# Altium PCB BMS.Pcb.PcbDoc (part 1 of 3) (continued)
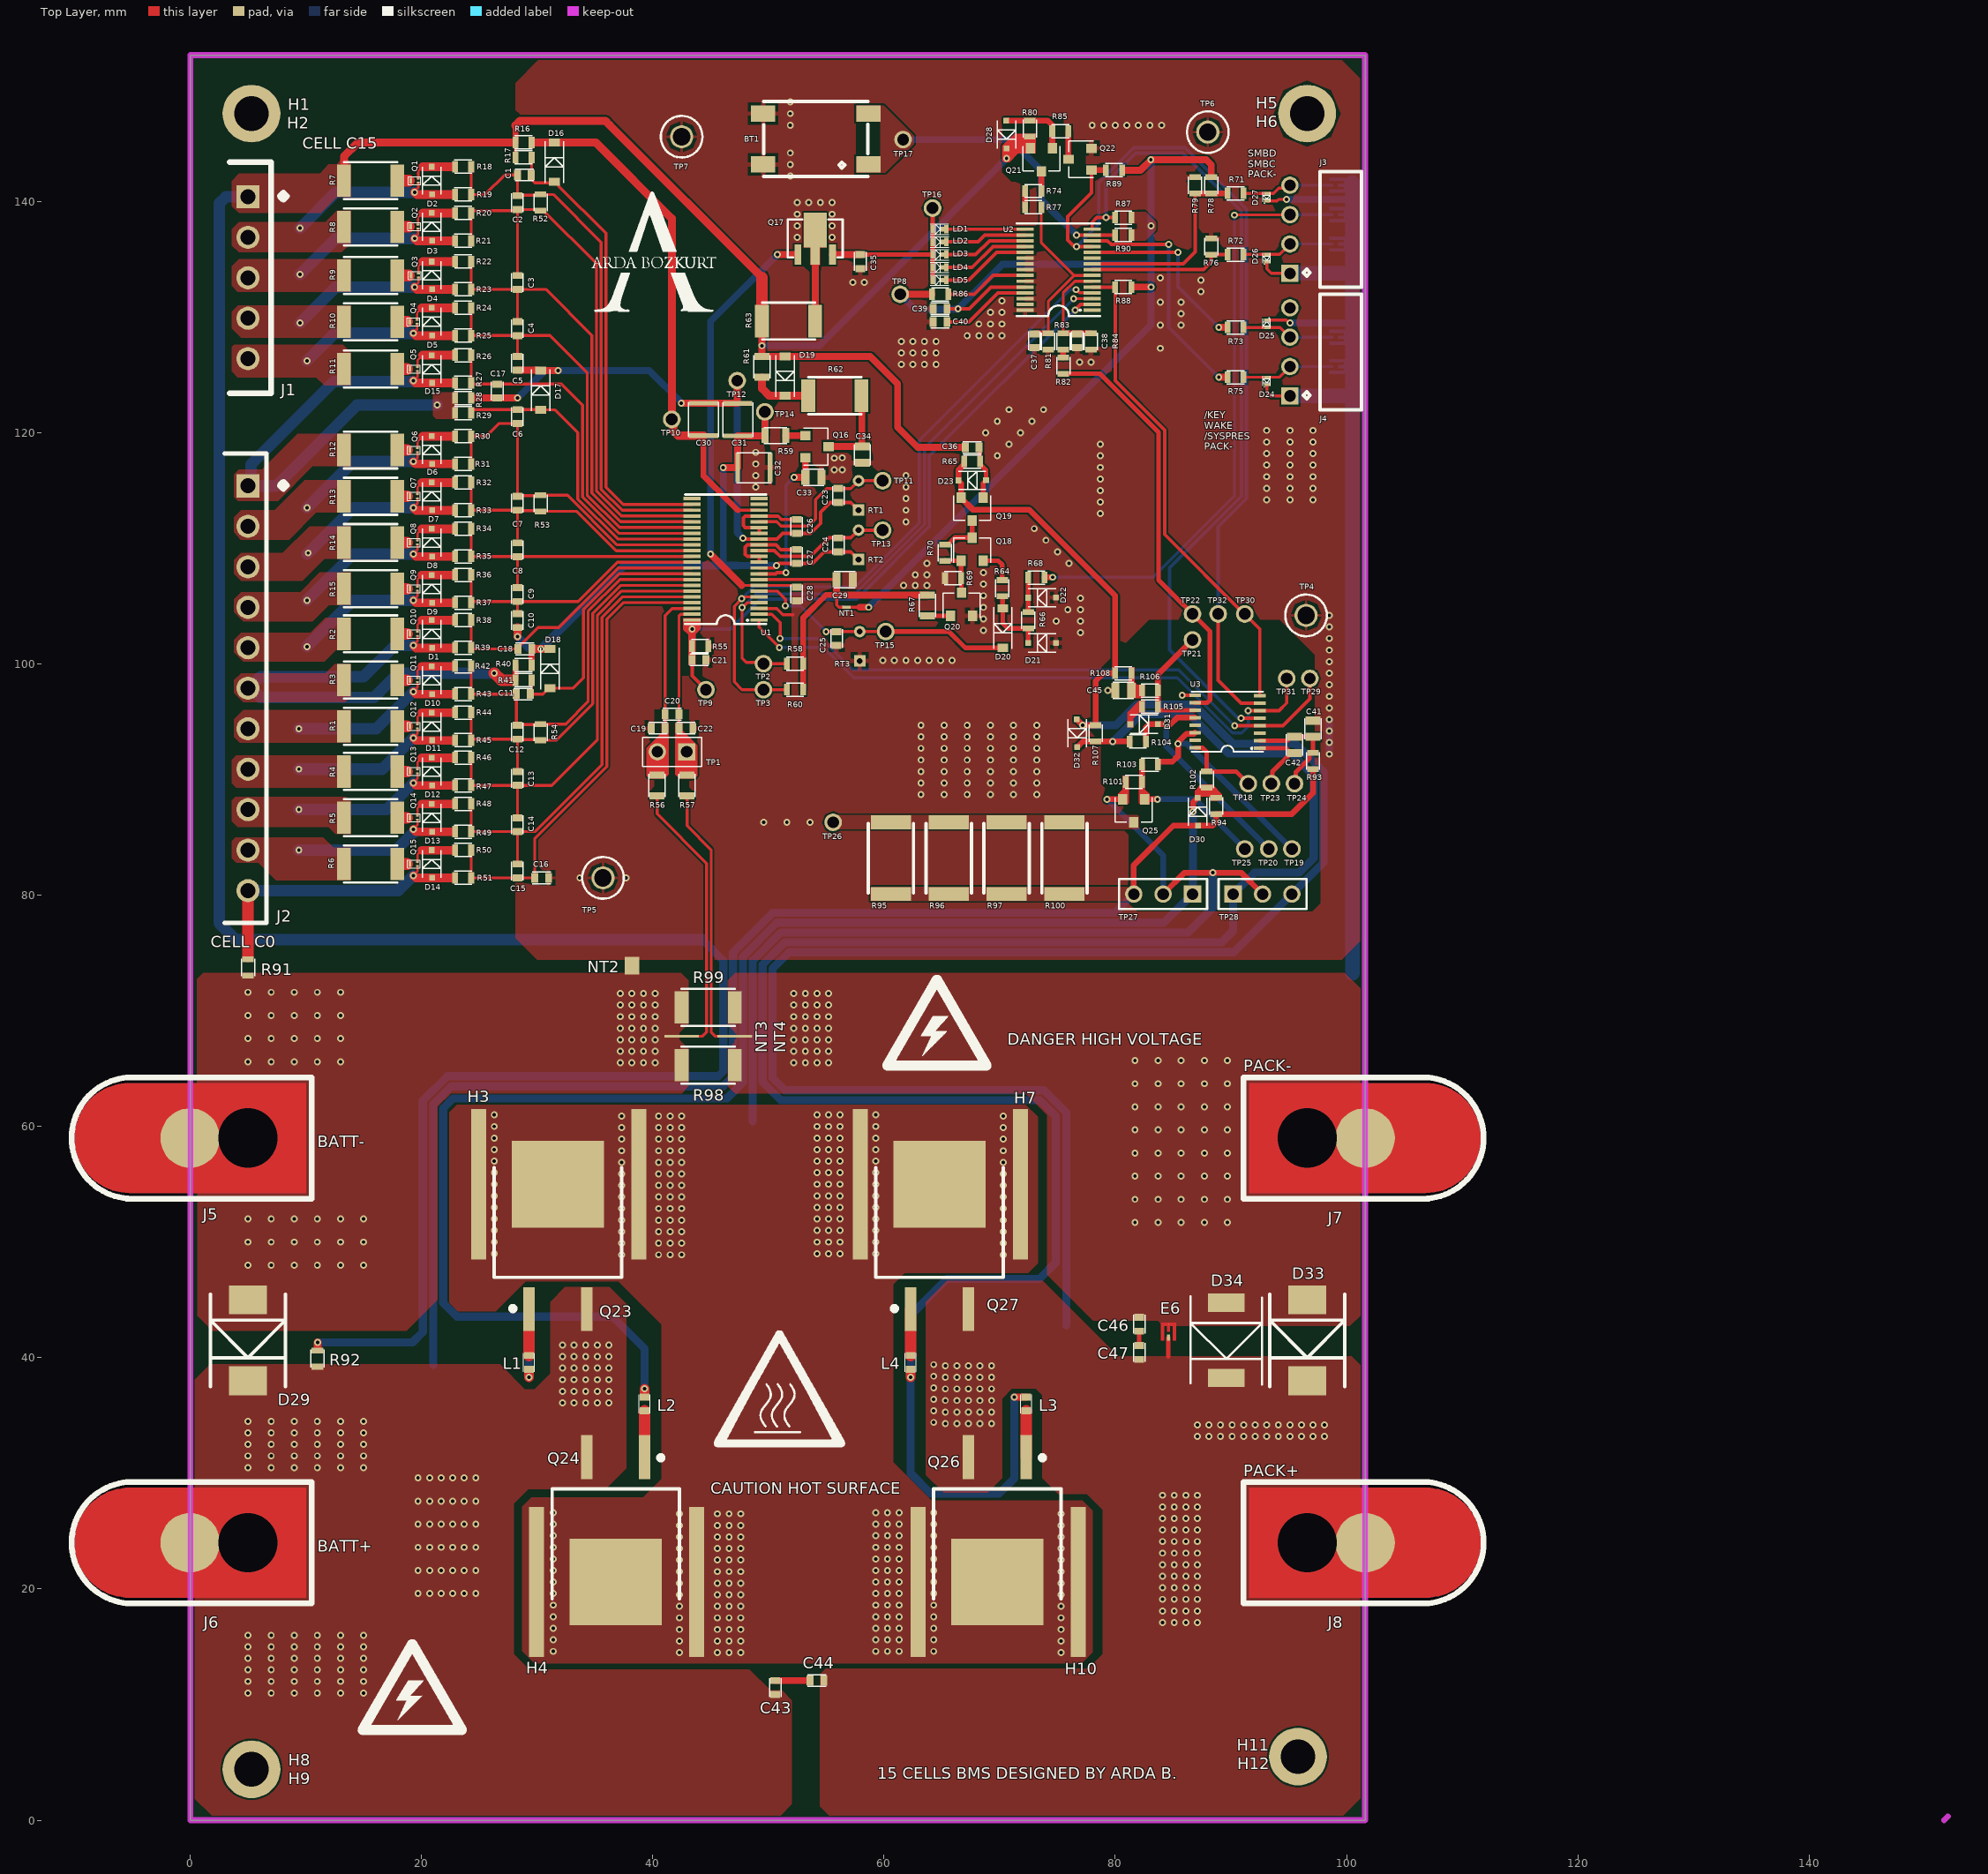
[diagram p0: Top Layer view]
## Components (designator, comment, footprint, x,y, rotation, side; value= is the part's Value field where it differs from the comment) (continued)
D27 "TPD1E10B06DPYT" ESD_X1SON 93.1,140.375 r90 top value=12pF
D28 "MMSZ5248BS-7-F" D_SOD323 70.6,145.8 r90 top value=18V
D29 "SMCJ60A" D_SMC 5,41.5 r90 top value=60V
D30 "MMSZ5246BS-7-F" D_SOD323 87.125,87.225 r270 top value=16V
D31 "MMSZ5248BS-7-F" D_SOD323 82.5,94.8 r180 top value=18V
D32 "MMSZ5246BS-7-F" D_SOD323 76.7,94 r90 top value=16V
D33 "SMCJ60A" D_SMC 96.6,41.5 r90 top value=60V
D34 "ES3D-E3/57T" D_DO214AB 89.6,41.5 r90 top value=200V
E1 "SPARKGAP" SPARK_GARP#1 98.776,125.72 r0 bottom
E2 "SPARKGAP" SPARK_GARP#1 98.776,128.26 r0 bottom
E3 "SPARKGAP" SPARK_GARP#1 98.776,136.32 r0 bottom
E4 "SPARKGAP" SPARK_GARP#1 98.776,138.86 r0 bottom
E5 "SPARKGAP" SPARK_GARP#1 98.776,141.4 r0 bottom
E6 "SPARKGAP" SPARK_GARP#2 84.6,41.744 r90 top
H1 "1902C" HEX_STANDOFF 5.3,147.6 r0 top
H2 "NY PMS 440 0025 PH" PEN 5.3,147.6 r0 top
H3 "573300D00010G" HEATSINK 31.8,55 r0 top
H4 "573300D00010G" HEATSINK 36.8,20.6 r0 top
H5 "1902C" HEX_STANDOFF 96.6,147.6 r0 top
H6 "NY PMS 440 0025 PH" PEN 96.6,147.6 r0 top
H7 "573300D00010G" HEATSINK 64.8,55 r0 top
H8 "1902C" HEX_STANDOFF 5.3,4.4 r0 top
H9 "NY PMS 440 0025 PH" PEN 5.3,4.4 r0 top
H10 "573300D00010G" HEATSINK 69.8,20.6 r0 top
H11 "1902C" HEX_STANDOFF 95.8,5.5 r0 top
H12 "NY PMS 440 0025 PH" PEN 95.8,5.5 r0 top
J1 "0395021005" TB_5 2,133.4 r270 top
J2 "0395021011" TB_11 1.5,97.9 r270 top
J3 "0022053041" CONN_4 95.1,137.59 r90 top
J4 "0022053041" CONN_4 95.1,126.99 r90 top
J5 "ML4-CY" CONN_LUG 5,59 r180 top
J6 "ML4-CY" CONN_LUG 5,24 r180 top
J7 "ML4-CY" CONN_LUG 96.6,59 r0 top
J8 "ML4-CY" CONN_LUG 96.6,24 r0 top
L1 "BLM18SG221TN1D" L_0603 29.3,39.6 r90 top value=220OHM
L2 "BLM18SG221TN1D" L_0603 39.3,36 r270 top value=220OHM
L3 "BLM18SG221TN1D" L_0603 72.3,36 r270 top value=220OHM
L4 "BLM18SG221TN1D" L_0603 62.3,39.6 r90 top value=220OHM
LD1 "LTST-C190GKT" LED_0603 64.8,137.6 r180 top
LD2 "LTST-C190GKT" LED_0603 64.8,136.5 r180 top
LD3 "LTST-C190GKT" LED_0603 64.8,135.4 r180 top
LD4 "LTST-C190GKT" LED_0603 64.8,134.3 r180 top
LD5 "LTST-C190GKT" LED_0603 64.8,133.2 r180 top
NT1 "Net Tie" NET_TİE_1 56.496,104.9 r0 top net-tie
NT2 "NET Tie" NET_TİE_2 38.2,73.9 r270 top net-tie
NT3 "NET Tie" NET_TİE_3 42.5,67.8 r0 top net-tie
NT4 "NET Tie" NET_TİE_3 47.1,67.8 r180 top net-tie
Q1 "CSD13381F4" Q_3PICOSTAR 19.4,141.8 r180 top
Q2 "CSD13381F4" Q_3PICOSTAR 19.375,137.825 r180 top
Q3 "CSD13381F4" Q_3PICOSTAR 19.425,133.6 r180 top
Q4 "CSD13381F4" Q_3PICOSTAR 19.3,129.595 r180 top
Q5 "CSD13381F4" Q_3PICOSTAR 19.325,125.505 r180 top
Q6 "CSD13381F4" Q_3PICOSTAR 19.325,118.5 r180 top
Q7 "CSD13381F4" Q_3PICOSTAR 19.325,114.5 r180 top
Q8 "CSD13381F4" Q_3PICOSTAR 19.325,110.5 r180 top
Q9 "CSD13381F4" Q_3PICOSTAR 19.325,106.5 r180 top
Q10 "CSD13381F4" Q_3PICOSTAR 19.325,102.6 r180 top
Q11 "CSD13381F4" Q_3PICOSTAR 19.325,98.6 r180 top
Q12 "CSD13381F4" Q_3PICOSTAR 19.325,94.6 r180 top
Q13 "CSD13381F4" Q_3PICOSTAR 19.325,90.7 r180 top
Q14 "CSD13381F4" Q_3PICOSTAR 19.325,86.7 r180 top
Q15 "CSD13381F4" Q_3PICOSTAR 19.325,82.7 r180 top
Q16 "BST82,215" Q_SOT23-3 54.2,118.8 r270 top
Q17 "ZXTN19100CZTA" Q_SOT-89-3 54.05,136.9 r0 top
Q18 "BSS123" Q_SOT23-3 67.625,109.925 r0 top
Q19 "ZXMP10A13FTA" Q_SOT23-3 67.625,113.395 r180 top
Q20 "BSS123" Q_SOT23-3 66.7,105.168 r0 top
Q21 "ZXMP10A13FTA" Q_SOT23-3 73.6,143.6 r180 top
Q22 "BSS123" Q_SOT23-3 76.95,143.65 r90 top
Q23 "CSD19536KTT" Q_DDPAK 31.8,49.6 r0 top
Q24 "CSD19536KTT" Q_DDPAK 36.8,26 r180 top
Q25 "ZXMP10A13FTA" Q_SOT23-3 81.6,87.3 r180 top
Q26 "CSD19536KTT" Q_DDPAK 69.8,26 r180 top
Q27 "CSD19536KTT" Q_DDPAK 64.8,49.6 r0 top
R1 "CRCW201028R7FKEF" R_2010 15.6,94.6 r0 top value=28.7R
R2 "CRCW201028R7FKEF" R_2010 15.6,102.6 r0 top value=28.7R
R3 "CRCW201028R7FKEF" R_2010 15.6,98.6 r0 top value=28.7R
R4 "CRCW201028R7FKEF" R_2010 15.6,90.7 r0 top value=28.7R
R5 "CRCW201028R7FKEF" R_2010 15.6,86.7 r0 top value=28.7R
R6 "CRCW201028R7FKEF" R_2010 15.6,82.7 r0 top value=28.7R
R7 "CRCW201028R7FKEF" R_2010 15.6,141.8 r0 top value=28.7R
R8 "CRCW201028R7FKEF" R_2010 15.6,137.8 r0 top value=28.7R
R9 "CRCW201028R7FKEF" R_2010 15.6,133.6 r0 top value=28.7R
R10 "CRCW201028R7FKEF" R_2010 15.6,129.595 r0 top value=28.7R
R11 "CRCW201028R7FKEF" R_2010 15.6,125.505 r0 top value=28.7R
R12 "CRCW201028R7FKEF" R_2010 15.6,118.5 r0 top value=28.7R
R13 "CRCW201028R7FKEF" R_2010 15.6,114.5 r0 top value=28.7R
R14 "CRCW201028R7FKEF" R_2010 15.6,110.5 r0 top value=28.7R
R15 "CRCW201028R7FKEF" R_2010 15.6,106.5 r0 top value=28.7R
R16 "CRCW06031K00JNEA" R_0603 28.825,145.1 r0 top value=1K
R17 "CRCW06031K00JNEA" R_0603 28.825,143.8 r0 top value=1K
R18 "CRCW060310K0JNEA" R_0603 23.6,143 r0 top value=10K
R19 "CRCW06031K00JNEA" R_0603 23.6,140.6 r0 top value=1K
R20 "CRCW060310K0JNEA" R_0603 23.6,139 r0 top value=10K
R21 "CRCW06031K00JNEA" R_0603 23.6,136.6 r0 top value=1K
R22 "CRCW060310K0JNEA" R_0603 23.6,134.8 r0 top value=10K
R23 "CRCW06031K00JNEA" R_0603 23.6,132.4 r0 top value=1K
R24 "CRCW060310K0JNEA" R_0603 23.6,130.795 r0 top value=10K
R25 "CRCW06031K00JNEA" R_0603 23.6,128.395 r0 top value=1K
R26 "CRCW060310K0JNEA" R_0603 23.6,126.705 r0 top value=10K
R27 "CRCW06031K00JNEA" R_0603 23.6,124.305 r0 top value=1K
R28 "CRCW06031K00JNEA" R_0603 23.6,123 r0 top value=1K
R29 "CRCW06031K00JNEA" R_0603 23.6,121.7 r0 top value=1K
R30 "CRCW060310K0JNEA" R_0603 23.6,119.7 r0 top value=10K
R31 "CRCW06031K00JNEA" R_0603 23.6,117.3 r0 top value=1K
R32 "CRCW060310K0JNEA" R_0603 23.6,115.7 r0 top value=10K
R33 "CRCW06031K00JNEA" R_0603 23.6,113.3 r0 top value=1K
R34 "CRCW060310K0JNEA" R_0603 23.6,111.7 r0 top value=10K
R35 "CRCW06031K00JNEA" R_0603 23.6,109.3 r0 top value=1K
R36 "CRCW060310K0JNEA" R_0603 23.6,107.7 r0 top value=10K
R37 "CRCW06031K00JNEA" R_0603 23.6,105.3 r0 top value=1K
R38 "CRCW060310K0JNEA" R_0603 23.6,103.8 r0 top value=10K
R39 "CRCW06031K00JNEA" R_0603 23.6,101.4 r0 top value=1K
R40 "CRCW06031K00JNEA" R_0603 28.825,99.9 r0 top value=1K
R41 "CRCW06031K00JNEA" R_0603 28.825,98.6 r0 top value=1K
R42 "CRCW060310K0JNEA" R_0603 23.6,99.8 r0 top value=10K
R43 "CRCW06031K00JNEA" R_0603 23.6,97.4 r0 top value=1K
R44 "CRCW060310K0JNEA" R_0603 23.6,95.8 r0 top value=10K
R45 "CRCW06031K00JNEA" R_0603 23.6,93.4 r0 top value=1K
R46 "CRCW060310K0JNEA" R_0603 23.6,91.9 r0 top value=10K
R47 "CRCW06031K00JNEA" R_0603 23.6,89.5 r0 top value=1K
R48 "CRCW060310K0JNEA" R_0603 23.6,87.9 r0 top value=10K
R49 "CRCW06031K00JNEA" R_0603 23.6,85.5 r0 top value=1K
R50 "CRCW060310K0JNEA" R_0603 23.6,83.9 r0 top value=10K
R51 "CRCW06031K00JNEA" R_0603 23.6,81.5 r0 top value=1K
R52 "CRCW06030000Z0EA" R_0603 30.3,139.9 r90 top value=0R
R53 "CRCW06030000Z0EA" R_0603 30.3,113.9 r90 top value=0R
R54 "CRCW06030000Z0EA" R_0603 30.3,94.1 r90 top value=0R
R55 "CRCW0603499KFKEA" R_0603 44.1,101.55 r180 top value=499K
R56 "CRCW0805100RFKEA" R_0805 40.37,89.5 r90 top value=100R
R57 "CRCW0805100RFKEA" R_0805 42.97,89.5 r90 top value=100R
R58 "CRCW060310K0JNEA" R_0603 52.3,100.025 r0 top value=10K
R59 "CRCW0805100KFKEA" R_0805 50.6,119.75 r0 top value=100K
R60 "CRCW060310K0JNEA" R_0603 52.3,97.775 r0 top value=10K
R61 "CRCW0805100KFKEA" R_0805 49.45,125.7 r90 top value=100K
R62 "CRCW20101K00JNEF" R_2010 55.75,123.2 r180 top value=1K
R63 "CRCW2010750RJNEF" R_2010 51.75,129.65 r180 top value=750R
R64 "CRCW060351K0JNEA" R_0603 70.225,106.55 r90 top value=51K
R65 "CRCW060310M0FKEA" R_0603 67.625,117.5 r180 top value=10M
R66 "CRCW06031K00JNEA" R_0603 72.475,103.775 r90 top value=1K
R67 "CRCW0805100KFKEA" R_0805 63.738,105.068 r270 top value=100K
R68 "CRCW06031K00JNEA" R_0603 73.175,107.475 r0 top value=1K
R69 "CRCW060310M0FKEA" R_0603 65.975,107.425 r0 top value=10M
R70 "CRCW06031M00JNEA" R_0603 65.275,109.625 r90 top value=1M
R71 "CRCW06031K00JNEA" R_0603 90.4,140.7 r180 top value=1K
R72 "CRCW06031K00JNEA" R_0603 90.4,135.4 r180 top value=1K
R73 "CRCW0603100RJNEA" R_0603 90.4,129.1 r180 top value=100R
R74 "RG1608P-304-B-T5" R_0603 72.9,140.9 r0 top value=300K
R75 "CRCW0603100RJNEA" R_0603 90.4,124.8 r180 top value=100R
R76 "CRCW06030000Z0EA" R_0603 88.3,136.1 r270 top value=0R
R77 "RG1608P-304-B-T5" R_0603 72.9,139.5 r0 top value=300K
R78 "CRCW06031M00JNEA" R_0603 88.306,141.4 r90 top value=1M
R79 "CRCW06030000Z0EA" R_0603 86.9,141.4 r270 top value=0R
R80 "CRCW0603100KJNEA" R_0603 72.6,146.3 r270 top value=100K
R81 "RG1608P-103-B-T5" R_0603 74.2,127.9 r90 top value=10K
R82 "RG1608P-304-B-T5" R_0603 75.5,125.8 r270 top value=300K
R83 "RG1608P-304-B-T5" R_0603 75.5,127.9 r270 top value=300K
R84 "RG1608P-103-B-T5" R_0603 77.9,127.9 r90 top value=10K
R85 "CRCW0603220KJNEA" R_0603 75.25,146.075 r0 top value=220K
R86 "CRCW0603100KJNEA" R_0603 64.85,131.975 r180 top value=100K
R87 "CRCW0603510KJNEA" R_0603 80.7,138.6 r0 top value=510K
R88 "CRCW0603510KJNEA" R_0603 80.7,132.6 r0 top value=510K
R89 "CRCW0603510KJNEA" R_0603 79.9,142.7 r0 top value=510K
R90 "CRCW0603510KJNEA" R_0603 80.7,137.1 r0 top value=510K
R91 "CRCW06030000Z0EA" R_0603 5,73.75 r90 top value=0R
R92 "CRCW06030000Z0EA" R_0603 11,39.925 r90 top value=0R
R93 "CRCW0603100RFKEA" R_0603 97.1,91.6 r90 top value=100R
R94 "CRCW060310M0FKEA" R_0603 88.725,87.725 r90 top value=10M
R95 "CRCW25121K20JNEG" R_2512 60.6,83.2 r270 top value=1.2K
R96 "CRCW25121K20JNEG" R_2512 65.6,83.2 r270 top value=1.2K
R97 "CRCW25121K20JNEG" R_2512 70.6,83.2 r270 top value=1.2K
R98 "CSNL2010FT1L00" R_2010 44.8,65.3 r0 top value=0.001R
R99 "CSNL2010FT1L00" R_2010 44.8,70.3 r0 top value=0.001R
R100 "CRCW25121K20JNEG" R_2512 75.6,83.2 r270 top value=1.2K
R101 "CRCW060310M0FKEA" R_0603 81.6,89.8 r180 top value=10M
R102 "CRCW0603620RJNEA" R_0603 87.9,90 r270 top value=620R
R103 "CRCW0603620RJNEA" R_0603 83,91.3 r180 top value=620R
R104 "CRCW0603620RJNEA" R_0603 81.95,93.3 r180 top value=620R
R105 "CRCW0603100RJNEA" R_0603 83,96.3 r0 top value=100R
R106 "CRCW06030000Z0EA" R_0603 83,97.7 r180 top value=0R
R107 "CRCW060310M0FKEA" R_0603 78.3,94 r90 top value=10M
R108 "CRCW0603100RFKEA" R_0603 80.7,99.2 r180 top value=100R
RT1 "103AT-2" NTC 57.8,114.575 r90 top value=10K
RT2 "103AT-2" NTC 57.8,110.3 r90 top value=10K
RT3 "103AT-2" NTC 57.9,101.53 r90 top value=10K
TP1 "PEC02SAAN" TP_2POS 41.67,92.4 r180 top
TP2 "5011" TP_VİA 49.575,100.025 r180 top
TP3 "5011" TP_VİA 49.575,97.775 r180 top
TP4 "TEST POİNT" TP_GND 96.5,104.2 r0 top
TP5 "TEST POİNT" TP_GND 35.7,81.5 r0 top
TP6 "TEST POİNT" TP_GND 88,146 r0 top
TP7 "TEST POİNT" TP_GND 42.5,145.6 r0 top
TP8 "5011" TP_VİA 61.4,131.975 r90 top
TP9 "5011" TP_VİA 44.6,97.775 r90 top
TP10 "5011" TP_VİA 41.65,121.15 r90 top
TP11 "5011" TP_VİA 59.883,115.845 r90 top
TP12 "5011" TP_VİA 47.3,124.5 r90 top
TP13 "5011" TP_VİA 59.883,111.57 r90 top
TP14 "5011" TP_VİA 49.7,121.8 r90 top
TP15 "5011" TP_VİA 60.15,102.8 r90 top
TP16 "5011" TP_VİA 64.2,139.425 r90 top
TP17 "5011" TP_VİA 61.65,145.35 r90 top
TP18 "5011" TP_VİA 91.5,89.65 r90 top
TP19 "5011" TP_VİA 95.275,84 r90 top
TP20 "5011" TP_VİA 93.275,84 r90 top
TP21 "5011" TP_VİA 86.675,102.075 r90 top
TP22 "5011" TP_VİA 86.675,104.325 r90 top
TP23 "5011" TP_VİA 93.5,89.65 r90 top
TP24 "5011" TP_VİA 95.5,89.65 r90 top
TP25 "5011" TP_VİA 91.2,84 r90 top
TP26 "5011" TP_VİA 55.6,86.3 r90 top
TP27 "PEC03SAAN" TP_3POS 84.14,80.1 r180 top
TP28 "PEC03SAAN" TP_3POS 92.735,80.1 r0 top
TP29 "5011" TP_VİA 96.825,98.75 r90 top
TP30 "5011" TP_VİA 91.2,104.325 r90 top
TP31 "5011" TP_VİA 94.825,98.75 r90 top
TP32 "5011" TP_VİA 88.9,104.325 r90 top
U1 "BQ7694000DBTR" 44TSSOP 46.3,109.05 r180 top
U2 "BQ78350DBTR-R1" 30TSSOP 75.1,134.1 r180 top
U3 "BQ76200PWR" 16TSSOP 89.7,95 r180 top

## Footprints (in the part's own frame and the unit in brackets; to place one, negate y for a bottom-side part, rotate by r counter-clockwise, add the part's x,y. Pads: shape width x height; smd on the part's side, far side on the other; paste and mask are expansions set on the pad)
16TSSOP [mm]
  rect 1x0.3 smd mask+0.005: 1(-2.8,2.3) 2(-2.8,1.65) 3(-2.8,1) 4(-2.8,0.35) 5(-2.8,-0.3) 6(-2.8,-0.95) 7(-2.8,-1.6) 8(-2.8,-2.25) 9(2.8,-2.3) 10(2.8,-1.65) 11(2.8,-1) 12(2.8,-0.35) 13(2.8,0.3) 14(2.8,0.95) 15(2.8,1.6) 16(2.8,2.25)
  silkscreen extent -3.1,-2.6 3.1,2.6, body extent -3.18,-2.5 3.22,2.5, height 1.13
30TSSOP [mm]
  rect 1.5x0.3 smd mask+0.005: 1(-2.9,3.5) 1(-2.9,3.5) 2(-2.9,3) 3(-2.9,2.5) 4(-2.9,2) 5(-2.9,1.5) 6(-2.9,1) 7(-2.9,0.5) 8(-2.9,0) 9(-2.9,-0.5) 10(-2.9,-1) 11(-2.9,-1.5) 12(-2.9,-2) 13(-2.9,-2.5) 14(-2.9,-3) 15(-2.9,-3.5) 16(2.9,-3.5) 16(2.9,-3.5) 17(2.9,-3) 18(2.9,-2.5) 19(2.9,-2) 20(2.9,-1.5) 21(2.9,-1) 22(2.9,-0.5) 23(2.9,0) 24(2.9,0.5) 25(2.9,1) 26(2.9,1.5) 27(2.9,2) 28(2.9,2.5) 29(2.9,3) 30(2.9,3.5)
  silkscreen extent -3.6,-4 3.6,4, body extent -3.2,-3.9 3.2,3.9, height 1.2
44TSSOP [mm]
  rect 1.5x0.3 smd mask+0.005: 1(-2.9,5.25) 2(-2.9,4.75) 3(-2.9,4.25) 4(-2.9,3.75) 5(-2.9,3.25) 6(-2.9,2.75) 7(-2.9,2.25) 8(-2.9,1.75) 9(-2.9,1.25) 10(-2.9,0.75) 11(-2.9,0.25) 12(-2.9,-0.25) 13(-2.9,-0.75) 14(-2.9,-1.25) 15(-2.9,-1.75) 16(-2.9,-2.25) 17(-2.9,-2.75) 18(-2.9,-3.25) 19(-2.9,-3.75) 20(-2.9,-4.25) 21(-2.9,-4.75) 22(-2.9,-5.25) 23(2.9,-5.25) 23(2.9,-5.25) 24(2.9,-4.75) 25(2.9,-4.25) 26(2.9,-3.75) 27(2.9,-3.25) 28(2.9,-2.75) 29(2.9,-2.25) 30(2.9,-1.75) 31(2.9,-1.25) 32(2.9,-0.75) 33(2.9,-0.25) 34(2.9,0.25) 35(2.9,0.75) 36(2.9,1.25) 37(2.9,1.75) 38(2.9,2.25) 39(2.9,2.75) 40(2.9,3.25) 41(2.9,3.75) 42(2.9,4.25) 43(2.9,4.75) 44(2.9,5.25)
  silkscreen extent -3.5,-5.6 3.5,5.6, body extent -3.2,-5.5 3.2,5.5, height 1.13
BUTTOM [mm]
  rect 2.1x1.4 smd mask+0.005: 1(-4.55,2.2) 2(4.55,2.2) 3(-4.55,-2.2) 4(4.55,-2.2)
  silkscreen extent -4.5,-3.25 4.5,3.25, body extent -5,-3 5,3, height 4.41
C_0603 [mm]
  rect 0.6x0.85 smd mask+0.005: 1(-0.6,0) 2(0.6,0)
  silkscreen extent -0.8,-0.5 0.8,0.5, body extent -0.8,-0.4 0.8,0.4, height 0.8
C_0805 [mm]
  rect 0.7x1.3 smd mask+0.005: 1(-0.7,0) 2(0.7,0)
  silkscreen extent -0.9,-0.7 0.9,0.7, body extent -1,-0.63 1,0.63, height 0.94
C_1210 [mm]
  rect 0.4x2.5 smd mask+0.005: 1(-1.4,0) 2(1.4,0)
  silkscreen extent -1.5,-1.3 1.5,1.3, body extent -1.6,-1.25 1.6,1.25, height 2.2
CONN_4 [mm]
  rect 1.5x1.5 hole 1 mask+0.005: 1(-3.81,0)
  round 1.5 hole 1 mask+0.005: 2(-1.27,0) 3(1.27,0) 4(3.81,0)
  silkscreen extent -5,-6.2 5,-1.15, body extent -5,-12.63 5,0.3, height 7.17
CONN_LUG [mm]
  round 5.15 hole 5.125 copper offset 5,0 mask+0.005: 1(0,0)
  Top Layer region: 10.25,-4.75 -5,-4.75 -5,4.75 10.25,4.75 12.068,4.388 13.609,3.359 14.638,1.818 15,0 15,0 14.638,-1.818 13.609,-3.359 12.068,-4.388 10.25,-4.75
  Bottom Layer region: 10.25,-4.75 -5,-4.75 -5,4.75 10.25,4.75 12.068,4.388 13.609,3.359 14.638,1.818 15,0 15,0 14.638,-1.818 13.609,-3.359 12.068,-4.388 10.25,-4.75
  silkscreen extent -5.5,-5.25 15.25,5.25, body extent -5,-4.75 15.05,4.75, height 13.05
D_DO214AB [mm]
  rect 1.6x3.2 smd mask+0.005: 1(-3.25,0) 2(3.25,0)
  silkscreen extent -3.8,-3.1 3.8,3.1, body extent -3.98,-2.95 3.98,2.95, height 2.65
D_SMC [mm]
  rect 2.5x3.3 smd mask+0.005: 1(-3.5,0) 2(3.5,0)
  silkscreen extent -4,-3.25 4,3.25, body extent -3.97,-2.95 3.97,2.95, height 2.62
D_SOD123 [mm]
  rect 0.7x0.95 smd mask+0.005: 1(-1.7,0) 2(1.7,0)
  silkscreen extent -1.8,-0.8 1.8,0.8, body extent -1.92,-0.67 1.92,0.67, height 0.81
D_SOD323 [mm]
  rect 0.5x0.5 smd mask+0.005: 1(-1.2,0) 2(1.2,0.025)
  silkscreen extent -1.2,-0.8 1.2,0.8, body extent -1.35,-0.7 1.35,0.7, height 1.2
ESD_X1SON [mm]
  rect 0.25x0.5 smd mask+0.005: 1(-0.325,0) 2(0.325,0)
  silkscreen extent -0.53,-0.33 0.43,0.33, body extent -0.5,-0.3 0.5,0.3, height 0.45
HEATSINK [mm]
  rect 1.3x13 smd mask+0.005: 0(-6.85,0) 0(7,0)
  body extent -13.03,-6.35 13.13,6.35, height 10.15
HEX_STANDOFF [mm]
  round 5 hole 3 mask+0.005: 0(0,0)
  body extent -3.67,-3.17 3.67,3.17
L_0603 [mm]
  rect 0.6x0.85 smd mask+0.005: 1(-0.6,0) 2(0.6,0)
  silkscreen extent -0.8,-0.48 0.8,0.48, body extent -0.8,-0.4 0.8,0.4, height 0.8
LED_0603 [mm]
  rect 0.4x0.7 smd mask+0.005: 1(-0.6,0) 2(0.6,0)
  rect 0.3x0.4 smd mask+0.005: 1(-0.25,0)
  silkscreen extent -0.8,-0.45 0.8,0.45, body extent -0.8,-0.4 0.8,0.4, height 0.8
NET_TİE_1 [mil]
  rect 9x10 smd mask+0.2: 1(0,0) 2(20,0)
  rect 30x10 smd mask+0.2: ""(10,0)
NET_TİE_2 [mm]
  rect 0.75x1.27 smd mask+0.005: 1(-0.375,0) 2(0.375,0)
NET_TİE_3 [mm]
  rect 1.5x0.25 smd mask+0.005: 1(-0.75,0) 2(0.75,0)
NTC [mm]
  rect 1x1 hole 0.5 mask+0.005: 1(-1.27,0)
  round 1 hole 0.5 mask+0.005: 2(1.27,0)
  body extent -2,-1 2,1, height 7.5
PEN [mm]
  body extent -2.78,-2.77 2.78,2.77, height 4.11
Q_3PICOSTAR [mm]
  rect 0.25x0.15 smd mask+0.005: 1(-0.325,-0.175) 2(-0.325,0.175)
  rect 0.25x0.5 smd mask+0.005: 3(0.325,0)
  silkscreen extent -0.55,-0.35 0.55,0.35, body extent -0.5,-0.3 0.5,0.3, height 0.35
Q_DDPAK [mm]
  rect 1x3.8 smd mask+0.005: 1(-2.5,-5.4) 3(2.5,-5.4)
  rect 8x7.5 smd mask+0.005: 2(0,5.4)
  silkscreen extent -5.5,-5.5 5.5,6.85, body extent -5.08,-6.53 5.08,8.55, height 4.67
Q_SOT23-3 [mm]
  rect 0.8x0.9 smd mask+0.005: 1(-0.95,-1) 2(0.95,-1) 3(0,1)
  silkscreen extent -1.6,-1.16 1.6,0.96, body extent -1.45,-1.2 1.45,1.2, height 1.14
Q_SOT-89-3 [mm]
  rect 0.6x1.75 smd mask+0.005: 1(-1.5,-1.5) 3(1.5,-1.5)
  rect 0.8x1.5 smd mask+0.005: 2(0,-1.625)
  rect 2x3 smd mask+0.005: 4(0,0.625)
  silkscreen extent -2.37,-1.73 2.37,1.55, body extent -2.25,-2.25 2.25,1.75, height 1.6
R_0603 [mm]
  rect 0.5x1 smd mask+0.005: 1(-0.7,0) 2(0.7,0)
  silkscreen extent -0.75,-0.57 0.75,0.58, body extent -0.77,-0.43 0.77,0.43, height 0.55
R_0805 [mm]
  rect 0.6x1.3 smd mask+0.005: 1(-0.9,0) 2(0.9,0)
  silkscreen extent -1,-0.7 1,0.7, body extent -1,-0.63 1,0.63, height 0.5
R_2010 [mm]
  rect 1.2x2.8 smd mask+0.005: 1(-2.3,0) 2(2.3,0)
  silkscreen extent -2.3,-1.6 2.3,1.6, body extent -2.5,-1.25 2.5,1.25, height 0.7
R_2512 [mm]
  rect 1.2x3.5 smd mask+0.005: 1(-3.1,0) 2(3.1,0)
  silkscreen extent -3,-1.95 3,1.95, body extent -3.15,-1.58 3.15,1.58, height 0.7
SPARK_GARP#1 [mil]
  rect 20x10 smd mask+0.2: 1(0,0)
  round 1 smd mask+0.2: 2(45,0)
  rect 70x50 on Bottom Solder mask+0.2: ""(15,0)
  Top Layer region: -10,25 -10,15 40,15 40,5 20,5 20,-5 40,-5 40,-15 -10,-15 -10,-25 50,-25 50,25
SPARK_GARP#2 [mil]
  rect 20x10 smd mask+0.2: 1(0,0)
  round 1 smd mask+0.2: 2(45,0)
  rect 70x50 on Top Solder mask+0.2: ""(15,0)
  Top Layer region: -10,25 -10,15 40,15 40,5 20,5 20,-5 40,-5 40,-15 -10,-15 -10,-25 50,-25 50,25
TB_5 [mm]
  rect 2x2 hole 1.3 mask+0.005: 1(-7,3)
  round 2 hole 1.3 mask+0.005: 2(-3.5,3) 3(0,3) 4(3.5,3) 5(7,3)
  silkscreen extent -10,1.4 10,6.35, body extent -9.45,-4.87 9.45,4.27, height 7.86
TB_11 [mm]
  rect 2x2 hole 1.3 mask+0.005: 1(-17.5,3.5)
  round 2 hole 1.3 mask+0.005: 2(-14,3.5) 3(-10.5,3.5) 4(-7,3.5) 5(-3.5,3.5) 6(0,3.5) 7(3.5,3.5) 8(7,3.5) 9(10.5,3.5) 10(14,3.5) 11(17.5,3.5)
  silkscreen extent -20.3,1.5 20.3,6.85, body extent -19.95,-4.37 19.95,4.77, height 7.86
TP_2POS [mm]
  rect 1.5x1.5 hole 1 mask+0.005: 1(-1.27,0)
  round 1.5 hole 1 mask+0.005: 2(1.27,0)
  silkscreen extent -2.55,-1.25 2.55,1.25, body extent -2.54,-1.24 2.54,1.24, height 5.51
TP_3POS [mm]
  rect 1.5x1.5 hole 1 mask+0.005: 1(-2.54,0)
  round 1.5 hole 1 mask+0.005: 2(0,0) 3(2.54,0)
  silkscreen extent -3.8,-1.3 3.8,1.3, body extent -3.81,-1.24 3.81,1.24, height 8.38
TP_GND [mm]
  round 2 hole 1.5 mask+0.005: 1(0,0)
  silkscreen extent -1.8,-1.8 1.8,1.8, body extent -1.58,-1.59 1.58,1.59, height 8.12
TP_VİA [mil]
  round 60 hole 40 mask+0.2: 1(0,0)

## Part data
BT1: library part BT_SWITCH_TACTILE_0.05A_24V, "Pushbutton Switch, SPST, Momentary, 0.05A, 24VDC, Solder Terminal, Panel Mount", Case/Package=SMD/SMT, Color=Black, Contact Current Rating=50mA, Manufacturer="TE Connectivity", Manufacturer Part Number=FSM4JSMA, Max Operating Temperature=85°C, Min Operating Temperature=-35°C, Operating Force=1.57N, Package Quantity=750, Supplier Part Number=3801305, Voltage Rating=24V, Insulation Resistance=100MR, Actuator Length=1.4mm, Actuator Material=Polyphenylene, Actuator Type=Standard, Category="Pushbutton Switches", ComponentLink1Description=https://datasheet.ciiva.com/16312/1977223-8-16312304.pdf?src-supplier=Future+Electronics, ComponentLink1URL=https://datasheet.ciiva.com/16312/1977223-8-16312304.pdf?src-supplier=Future+Electronics, ComponentLink2Description=https://datasheet.ciiva.com/30161/19772236780a-30161988.pdf?src-supplier=Onlinecomponents.com, ComponentLink2URL=https://datasheet.ciiva.com/30161/19772236780a-30161988.pdf?src-supplier=Onlinecomponents.com, ComponentLink3Description=https://datasheet.ciiva.com/41839/eng-cd-1977223-a4-41839198.pdf?src-supplier=Digikey, ComponentLink3URL=https://datasheet.ciiva.com/41839/eng-cd-1977223-a4-41839198.pdf?src-supplier=Digikey, ComponentLink4Description=https://datasheet.ciiva.com/41834/eng-cd-1977223-a4-41834279.pdf?src-supplier=Digikey, ComponentLink4URL=https://datasheet.ciiva.com/41834/eng-cd-1977223-a4-41834279.pdf?src-supplier=Digikey, Contact Material="Copper Alloy,Silver", Contact Plating=Silver, Current Rating=50mA, Depth=10mm, ELV=Compliant, Lead Free="Lead Free", Length=6mm, Max Current Rating=50mA, Mechanical Life=100000Cycles, Mounting Technology="Surface Mount", Number of Positions=2NUMBER, Orientation=Straight, Packaging=Bulk, Pricing="10=0,175, 50=0,173, 100=0,171, 500=0,168 (EUR)", Reach SVHC Compliant=Unknown, RoHS=Yes, RoHS Compliant=Yes, Series=FSMJSMA, Stock=16293, Supplier=Farnell, Switch Function=Off-Mom, Switch Travel=0.25mm, Termination="Gull Wing", Throw Configuration=SPST, Voltage Rating (DC)=24V, Width=6mm, Illumination Type=Non-Illuminated,Illuminated
C1 C2 C3 C4 C5 C6 C7 C8 C9 C10 C11 C12 C13 C14 C15 C16 C17 C18 C35: library part C_0.22uF_0603_16V, "Ceramic Capacitor 220nF, 16VDC, 0603, ±10 %", Manufacturer="Wurth Electronics", Supplier Part Number=710-885012206048, Insulation Resistance=2.3GR, Category="Ceramic Capacitors", ComponentLink1Description=http://www.farnell.com/datasheets/1995922.pdf?src-supplier=Farnell, ComponentLink1URL=http://www.farnell.com/datasheets/1995922.pdf?src-supplier=Farnell, ComponentLink2Description=https://katalog.we-online.de/pbs/datasheet/885012206048.pdf?src-supplier=Digikey, ComponentLink2URL=https://katalog.we-online.de/pbs/datasheet/885012206048.pdf?src-supplier=Digikey, ComponentLink3Description=https://datasheet.octopart.com/885012206048-W%C3%BCrth-Elektronik-datasheet-61282229.pdf?src-supplier=Element14, ComponentLink3URL=https://datasheet.octopart.com/885012206048-W%C3%BCrth-Elektronik-datasheet-61282229.pdf?src-supplier=Element14, Height=800um, Manufacturer Part Number=885012206048, Pricing="1=0,1, 10=0,044, 50=0,044, 100=0,04, 1000=0,035, 10000=0,029 (USD)", RoHS=Yes, Stock=28778, Supplier=Mouser
C19 C20 C22 C39 C40: library part C_0.1uF_0603_50V, "Ceramic Capacitor, Multilayer, Ceramic, 50V, 10% -Tol, X7R, 15% Tc, 0.1Uf, Surface Mount, 0603", Case Code (Metric)=1608, Case Code (Imperial)=0603, Dielectric=X7R, Dielectric Material=4241ConductorMaterial, Manufacturer=TDK, Max Operating Temperature=125°C, Min Operating Temperature=-55°C, Package Quantity=1, Supplier Part Number=810-C1608X7R1H104K, Tolerance=10%, Voltage=50V, Case/Package=0603, Category="Ceramic Capacitors", Construction=Flat, Depth=0.8mm, Height=0.8mm, Lead Free=5697LeadFree, Length=1.6mm, Manufacturer Part Number=C1608X7R1H104K080AA, Material=4241ConductorMaterial, Mounting Technology="Surface Mount", Packaging="Tape and Reel", Pins=2NUMBER, Pricing="1=0,1, 10=0,041, 50=0,041, 100=0,024, 1000=0,018, 10000=0,015 (USD)", Reach SVHC Compliant=No, RoHS=Yes, RoHS Compliant=Yes, Series=C, Stock=870852, Supplier=Mouser, Termination=SMD/SMT, Thickness=0.037inch, Voltage Rating=50V, Width=0.031inch
C21 C36: library part C_470pF_0603_50V, "WCAP-CSGP 0603 (1608Metric) Ceramic Capacitor 0.063Lx0.031W 1.60mmx0.80mm X7R ±10% 470pF", Dielectric=1511DielectricType, Manufacturer="Wurth Electronics", Supplier Part Number=732-7999-1-ND, Voltage Rating (DC)=50V, Insulation Resistance=10GR, Category="Ceramic Capacitors", ComponentLink1Description=http://www.farnell.com/datasheets/2031849.pdf?src-supplier=Farnell, ComponentLink1URL=http://www.farnell.com/datasheets/2031849.pdf?src-supplier=Farnell, ComponentLink2Description=http://www.farnell.com/datasheets/2031849.pdf?src-supplier=Newark, ComponentLink2URL=http://www.farnell.com/datasheets/2031849.pdf?src-supplier=Newark, ComponentLink3Description=http://katalog.we-online.de/pbs/datasheet/885012206081.pdf?src-supplier=Digikey, ComponentLink3URL=http://katalog.we-online.de/pbs/datasheet/885012206081.pdf?src-supplier=Digikey, ComponentLink4Description=https://katalog.we-online.de/pbs/datasheet/885012206081.pdf?src-supplier=Digikey, ComponentLink4URL=https://katalog.we-online.de/pbs/datasheet/885012206081.pdf?src-supplier=Digikey, Height=800um, Manufacturer Part Number=885012206081, Pricing="1=0,1, 10=0,025, 100=0,023, 500=0,02 (USD)", RoHS=Yes, Stock=6003, Supplier=Digikey
C23 C24 C25: library part C_4700pF_0603_50V, "Cap Cer 4700PF 50V X7R 0603", Case Code (Metric)=1608, Case Code (Imperial)=0603, Dielectric=X7R, Manufacturer="Wurth Electronics", Max Operating Temperature=125°C, Min Operating Temperature=-55°C, Supplier Part Number=710-885012206087, Tolerance=10%, Voltage Rating=50V, Insulation Resistance=10GR, Case/Package=0603, Category="Ceramic Capacitors", ComponentLink1Description=http://www.farnell.com/datasheets/1958481.pdf?src-supplier=Farnell, ComponentLink1URL=http://www.farnell.com/datasheets/1958481.pdf?src-supplier=Farnell, ComponentLink2Description=https://datasheet.octopart.com/885012206087-W%C3%BCrth-Elektronik-datasheet-62053755.pdf?src-supplier=Element14, ComponentLink2URL=https://datasheet.octopart.com/885012206087-W%C3%BCrth-Elektronik-datasheet-62053755.pdf?src-supplier=Element14, ComponentLink3Description=https://katalog.we-online.de/pbs/datasheet/885012206087.pdf?src-supplier=Digikey, ComponentLink3URL=https://katalog.we-online.de/pbs/datasheet/885012206087.pdf?src-supplier=Digikey, ComponentLink4Description=http://www.farnell.com/datasheets/1958481.pdf?src-supplier=Newark, ComponentLink4URL=http://www.farnell.com/datasheets/1958481.pdf?src-supplier=Newark, Height=800um, Length=0.063inch, Manufacturer Part Number=885012206087, Mounting Technology="Surface Mount", Packaging="Cut Tape", Pricing="1=0,1, 10=0,02, 50=0,02, 100=0,018, 1000=0,015, 10000=0,012 (USD)", Reach SVHC Compliant=Unknown, RoHS=Yes, RoHS Compliant=Yes, Series=WCAP-CSGP, Stock=9914, Supplier=Mouser, Thickness=0.037inch, Voltage Rating (DC)=50V, Width=0.031inch